# Altium PCB Lancelot.PcbDoc (part 9 of 14) (continued)
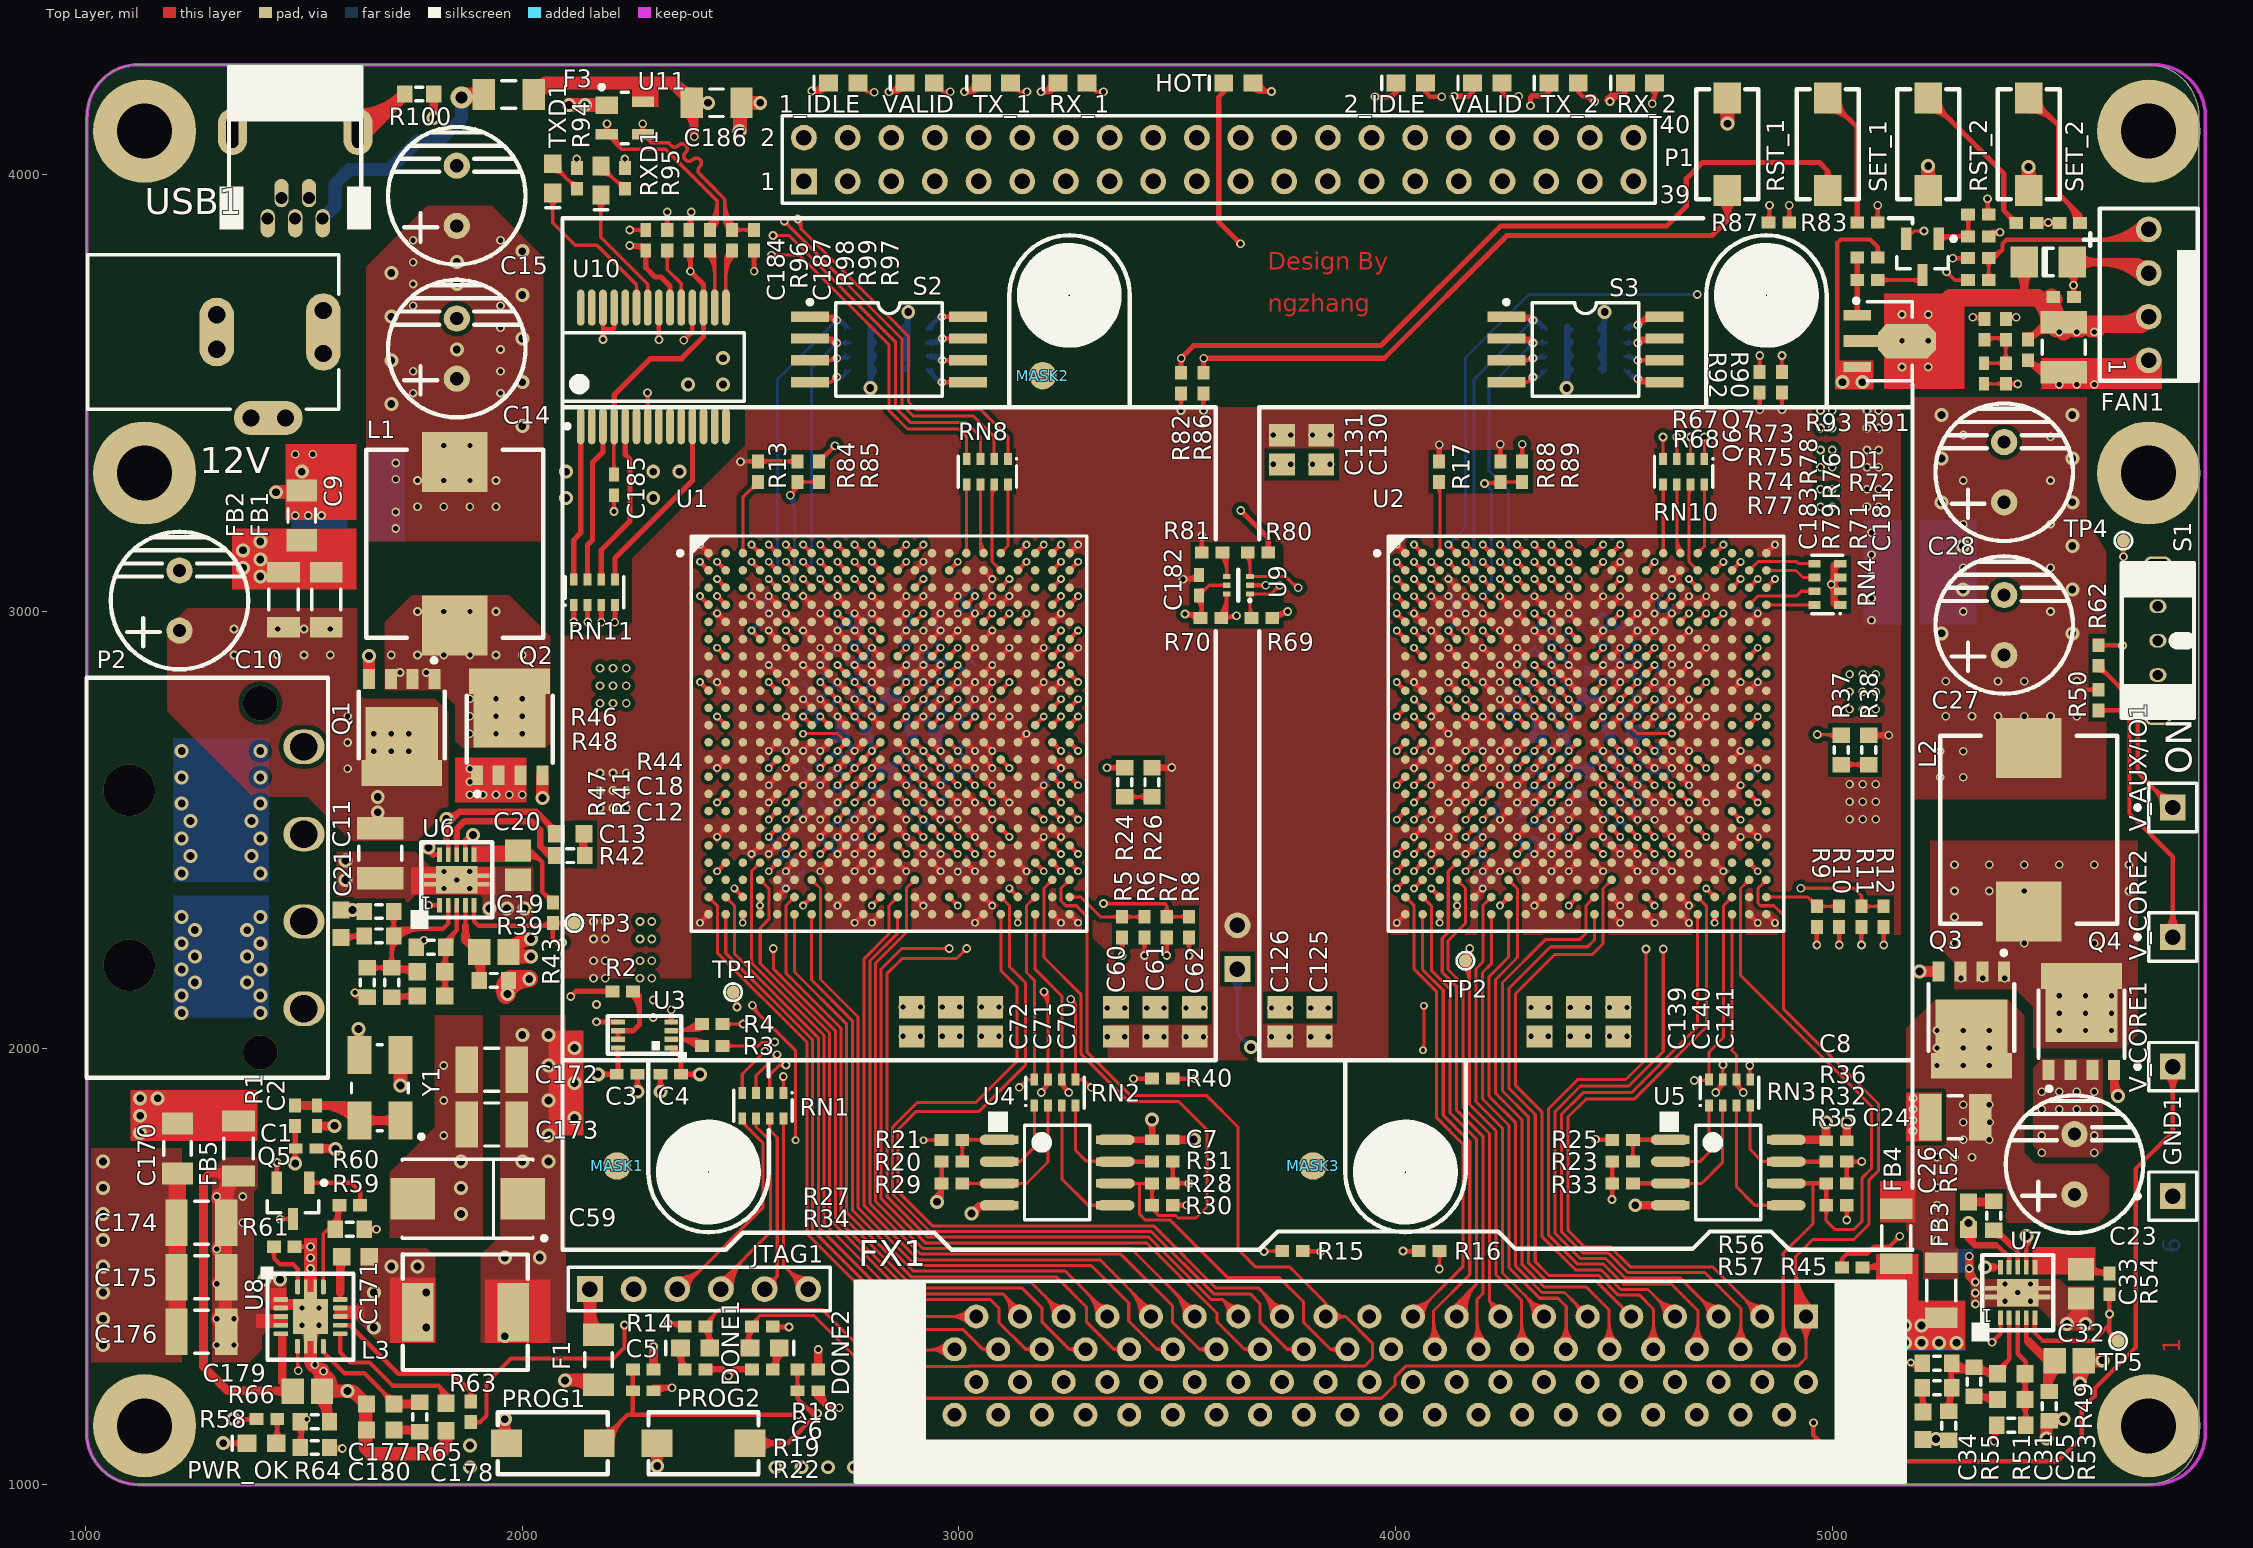
[diagram p0: Top Layer view]
## Nets (pads, with @x,y where several pads share a name; then routed paths per layer and width w, separated by ;. In a path a pad name is that pad's centre, name@x,y a point inside that pad or via, vN(x,y) a via of type N, cw(c..) or ccw(c..) an arc to the next point about the centre after c; other vN are vias at no path point) (continued)
NetC13_1: C13.1 L1.1 Q1.1 Q1.2 Q1.3 Q2.5 U6.9 | length 779.5
  Top Layer w10: 1826,2474 1830.32,2469.68 U6.9@1830.32,2443.07
  Top Layer w15: v3@1819.99,2518.99 cw(c1805.48,2504.48) 1826,2504.48 cw(c1846.52,2504.48) v3@1832.01,2518.99 ; 1826,2474 v3@1826,2511 ; v3(1826,2525) v3@1826,2511 ; v3@1828.06,2533.25 ccw(c1835.18,2561.82) 1856,2541 ; 2054.92,2518.22 cw(c2027.4,2490.7) C13.1@2066.32,2490.7 ; C13.1@2064.42,2508.72 ccw(c2078.5,2522.8) C13.1@2078.5,2502.89 ; C13.1@2082.44,2490.7 2032.14,2541 1856,2541 ; v3@1826,2511 1856,2541
  Mid-Layer 4 w20: v3(1826,2525) 1826,2746 v2(1880,2800)
  other v2: 1880,2720 1940,2720 2000,2720 1880,2760 1940,2760 2000,2760 1940,2800 2000,2800 1720,2860 1780,2860 1700,2900 1760,2900 1820,2900 1880,2900 1940,2900 2000,2900 1760,3000 1820,3000 1880,3000 1940,3000
NetC13_2: C13.2 R42.1 | length 144.3
  Top Layer w15: C13.2@2132.88,2482.08 cw(c2121.58,2470.79) 2137.56,2470.79 ; R42.1@2137.56,2451.78 cw(c2180.42,2451.78) C13.2@2150.11,2482.08 ; C13.2@2137.56,2481.59 ccw(c2182.39,2481.59) R42.1@2150.69,2449.89 ; C13.2@2137.56,2490.7 2137.56,2442.67 R42.1@2139.53,2440.7 ; 2140.8,2469.48 cw(c2148.76,2471.62) C13.2@2145.83,2479.31
NetC18_2: C18.2 R41.1 R46.2 R47.1 R48.2 U6.2 | length 1034.5
  Top Layer w10: R47.1@1645.3,2183.93 1746.07,2183.93 1750,2180 C18.2@1759.5,2180 ; R47.1@1655.96,2174.47 cw(c1678.79,2151.64) 1678.79,2183.93 ; R47.1@1655.96,2192.46 ccw(c1676.55,2213.04) 1676.55,2183.93 ; 1667.21,2183.93 cw(c1667.21,2151.64) R41.1@1690.04,2174.47 ; 1669.45,2183.93 ccw(c1669.45,2213.04) R41.1@1690.04,2192.46 ; R41.1@1692.01,2192.46 ccw(c1670.3,2214.16) 1701,2214.16 ccw(c1731.7,2214.16) R41.1@1709.99,2192.46 ; R48.2@1696.47,2246.04 cw(c1685.54,2235.11) 1701,2235.11 ; R48.2@1696.47,2267.96 ccw(c1674.76,2289.67) 1705.46,2289.67 ccw(c1736.16,2289.67) R48.2@1714.46,2267.96 ; R46.2@1696.47,2302.04 cw(c1674.76,2280.33) 1705.46,2280.33 cw(c1736.16,2280.33) R46.2@1714.46,2302.04 ; R48.2@1700.31,2264.12 cw(c1721.76,2242.68) R48.2@1721.76,2273 ; R41.1@1701,2183.93 R48.2@1701,2252.54 ; 1701,2213.55 cw(c1746.94,2213.55) R48.2@1714.46,2246.04 ; R48.2@1701,2237.69 cw(c1722.8,2237.69) R48.2@1707.39,2253.11 ; R41.1@1702.49,2183.93 cw(c1702.49,2117.99) C18.2@1749.12,2164.62 ; R46.2@1705.46,2313 R48.2@1705.46,2257 1721.46,2273 1818,2273 1830.32,2285.32 U6.2@1830.32,2326.93 ; R48.2@1707.39,2257.05 cw(c1745.9,2218.54) 1745.9,2273 ; R41.1@1709.33,2172.45 cw(c1725.23,2144.9) 1733.47,2175.63 ; R41.1@1711.96,2174.47 cw(c1734.79,2151.64) 1734.79,2183.93 ; R41.1@1711.96,2192.46 ccw(c1732.55,2213.04) 1732.55,2183.93 ; R41.1@1713.98,2189.82 ccw(c1739.6,2204.62) 1731.95,2176.04 ; R48.2@1714.46,2249.98 cw(c1770.04,2194.39) 1770.04,2273 ; 1726.64,2183.93 cw(c1726.64,2142.13) C18.2@1756.19,2171.69
NetC19_1: C19.1 R39.1 U6.4 | length 301.4
  Top Layer w10: 1870,2280 U6.4@1870,2326.61
  Top Layer w15: 1870,2259 1870,2280
  Top Layer w20: 1870,2259 1870,2247.6 ; C19.1@1890.51,2205.04 cw(c1854.39,2168.92) R39.1@1905.47,2168.92 ; R39.1@1896.08,2162.42 ccw(c1873.4,2185.1) 1905.47,2185.1 ; C19.1@1898.31,2239.19 cw(c1891.91,2269.51) 1870,2247.6 ; R39.1@1905.47,2155 1905.47,2212.13 1897.6,2220 1870,2247.6 ; 1905.47,2187.93 cw(c1929.67,2187.93) C19.1@1912.56,2205.04
NetC20_2: C20.2 R43.2 U6.6 | length 480.9
  Top Layer w10: C20.2@1990,2462.4 C20.2@1990,2452.46 2019.54,2452.46 2046,2426 ; C20.2@1994.18,2451.93 cw(c2005.9,2426.5) 2025.7,2446.3 ; C20.2@1998.37,2442.85 cw(c2012.3,2412.6) 2035.85,2436.15 ; C20.2@2002.55,2433.76 cw(c2018.71,2398.71) 2046,2426 ; 2051.65,2351.97 ccw(c2070,2370.32) R43.2@2070,2344.37 ; R43.2@2056.4,2347.22 cw(c2044.78,2335.59) R43.2@2061.22,2335.59 ; R43.2@2070,2333.62 2046,2357.62 2046,2426
  Top Layer w20: 1900,2445 1972.6,2445 C20.2@1990,2462.4 ; 1930.4,2445 ccw(c1930.4,2508.12) C20.2@1975.04,2463.49
NetC21_1: C21.1 R48.1 | length 172.2
  Top Layer w10: C21.1@1588.31,2250.19 cw(c1604.75,2233.75) 1604.75,2257 ; C21.1@1588.5,2257 R48.1@1638.54,2257 ; C21.1@1595.38,2243.12 cw(c1628.89,2209.61) R48.1@1628.89,2257 ; C21.1@1595.38,2263.89 ccw(c1612.01,2280.52) 1612.01,2257 ; R48.1@1629.54,2248.01 ccw(c1607.84,2226.3) 1607.84,2257 ccw(c1607.84,2287.7) R48.1@1629.54,2265.99
NetC23_1: C23.1 C24.2 FB3.1 FB4.1 Q3.5 R49.2 | length 898.8
  Top Layer w28: v3(5491,1106) 5491,1144.47 5497,1150.47 5529.53,1150.47 v3(5530,1150) ; 5491,1127.83 cw(c5513.74,1127.83) R49.2@5497.66,1143.91 ; R49.2@5501.6,1143.91 cw(c5517.45,1128.06) v3@5517.45,1150.47
  Mid-Layer 4 w28: 5491,1144.47 5496.53,1150 v3(5530,1150)
  Mid-Layer 4 w40: v3(5491,1106) 5491,1144.47 5491,1382 5496,1387 5496,1488 5472,1512 5419,1512 5399,1532 5399,1620 5444,1665 C23.1@5535,1665
  other v2: 5240,1560 5240,1600 5240,1640 5240,1680 5240,1750 5280,1750 5320,1750 5300,1790 5360,1790 5300,1830 5360.74,1830 5300,1870 5360,1870 5240,1960 5300,1960 5360,1960 5240,2000 5300,2000 5360,2000 5240,2040 5300,2040 5360,2040
NetC25_1: C25.1 C31.1 R53.2 U7.3 | length 533.4
  Top Layer w10: U7.3@5425,1381.93 5425,1300 5443.46,1281.54 ; C25.1@5431.11,1184.62 cw(c5401.29,1154.79) R53.2@5443.46,1154.79 ; C25.1@5431.11,1205.38 ccw(c5401.29,1235.21) C31.1@5443.46,1235.21 ; C31.1@5431.11,1243.62 cw(c5401.29,1213.79) C25.1@5443.46,1213.79 ; C25.1@5434.24,1207.77 ccw(c5427.33,1219.94) 5440.85,1223.56 ; R53.2@5434.47,1146.96 ccw(c5412.76,1168.67) 5443.46,1168.67 ccw(c5474.16,1168.67) R53.2@5452.46,1146.96 ; C31.1@5434.68,1267.01 ccw(c5427.06,1281.53) 5443.46,1281.53 ; 5443.08,1215.22 ccw(c5455.01,1218.42) C25.1@5448.84,1207.72 ; R53.2@5443.46,1136 5443.46,1281.54 ; 5443.46,1164.3 cw(c5472.2,1164.3) C25.1@5451.88,1184.62 ; 5443.46,1223.3 cw(c5472.2,1223.3) C31.1@5451.88,1243.62 ; 5443.46,1225.7 ccw(c5472.2,1225.7) C25.1@5451.88,1205.38 ; C31.1@5451.02,1265.18 cw(c5464.95,1281.53) 5443.46,1281.53
NetC25_2: C25.2 R51.2 | length 226.1
  Top Layer w10: R51.2@5325,1200.47 C25.2@5367.91,1200.47 ; R51.2@5329.84,1200.47 cw(c5329.84,1146.34) C25.2@5368.12,1184.62 ; R51.2@5335.96,1193.54 cw(c5352.69,1176.82) 5352.69,1200.47 ; R51.2@5335.96,1211.53 ccw(c5362.65,1238.22) C25.2@5362.65,1200.47 ; R51.2@5341.81,1206.06 cw(c5331.59,1167.91) C25.2@5365.79,1187.66 ; 5347.32,1204.58 ccw(c5355.45,1234.92) C25.2@5371.16,1207.72 ; 5353.98,1200.47 cw(c5353.98,1170.48) C25.2@5375.19,1191.69 ; 5356.26,1200.47 ccw(c5356.26,1217.24) C25.2@5368.12,1205.38
NetC26_1: C26.1 L2.1 Q3.1 Q3.2 Q3.3 Q4.5 U7.9 | length 1025.1
  Top Layer w10: 5375,1548 5378,1548 5405.31,1520.68 U7.9@5405.31,1498.07
  Top Layer w15: C26.1@5304.92,1594.74 cw(c5287.15,1582.94) C26.1@5308.06,1578.72 ; C26.1@5305.99,1593.43 cw(c5291.48,1578.92) 5312,1578.92 cw(c5332.52,1578.92) C26.1@5318.01,1593.43 ; C26.1@5306.18,1573.8 cw(c5300.84,1564) 5312,1564 ; C26.1@5308.28,1579.84 cw(c5327.61,1575.94) C26.1@5316.7,1592.36 ; C26.1@5309.48,1585.76 ccw(c5327.36,1576.87) 5313.24,1562.76 ; C26.1@5312,1584.5 5312,1564 ; C26.1@5317.82,1573.8 ccw(c5323.16,1564) 5312,1564 ; C26.1@5322.91,1579.08 ccw(c5347.08,1567.08) 5328,1548 ; 5375,1548 5328,1548 ; 5312,1564 5328,1548
  Mid-Layer 4 w25: v3(5312,1599.44) 5429,1716.44 5429,2229 ; 5429,2219.48 cw(c5460.52,2219.48) v2@5438.23,2241.77 ; 5429,2224.44 cw(c5449.98,2224.44) v2@5438.65,2242.1
  other v2: 5520,2040 5580,2040 5640,2040 5520,2080 5580,2080 5640,2080 5520,2120 5580,2120 5640,2120 5295,2160 5345,2160 5395,2160 5280,2240 5440,2240 5600,2240 5280,2300 5280,2360 5360,2360 5440,2360 5680,2360 5280,2420 5360,2420 5440,2420 5520,2420 5600,2420 5680,2420
NetC26_2: C26.2 R52.1 | length 112.7
  Top Layer w20: C26.2@5312,1647.5 R52.1@5368.03,1647.5 ; C26.2@5318.85,1640.65 cw(c5335.38,1624.11) 5335.38,1647.5 cw(c5335.38,1670.88) C26.2@5318.85,1654.34 ; 5344.65,1647.5 ccw(c5344.65,1672.85) R52.1@5362.58,1654.92
NetC31_2: C31.2 R51.1 R55.2 R56.2 R57.2 U7.2 | length 1060.1
  Top Layer w10: R55.2@5258.01,1177.46 ccw(c5236.3,1199.16) 5267,1199.16 ccw(c5297.7,1199.16) R55.2@5275.99,1177.46 ; R55.2@5262.61,1179.48 ccw(c5252.83,1196.42) 5271.72,1191.35 ; R57.2@5264.47,1232.96 ccw(c5246.3,1251.13) 5272,1251.13 ; R56.2@5264.47,1267.04 cw(c5246.3,1248.87) 5272,1248.87 ; R55.2@5267,1161.46 5267,1212.53 5272,1217.53 5272,1267.53 R56.2@5280,1259.53 ; R55.2@5267,1173.72 cw(c5319.77,1173.72) R57.2@5282.46,1211.04 ; 5267,1197.87 cw(c5295.63,1197.87) R57.2@5275.39,1218.11 ; R56.2@5268.31,1270.88 ccw(c5295.72,1298.29) 5295.72,1259.53 ; 5272,1241.8 cw(c5307.7,1241.8) R56.2@5282.46,1267.04 ; 5272,1258.2 ccw(c5307.7,1258.2) R57.2@5282.46,1232.96 ; 5272.61,1194.65 ccw(c5288.84,1190.3) R55.2@5277.53,1177.87 ; R56.2@5275.39,1277.95 ccw(c5319.87,1322.43) R51.1@5319.87,1259.53 ; R56.2@5282.46,1285.02 ccw(c5344.01,1346.58) R51.1@5344.01,1259.53 ; 5299,1259.53 ccw(c5299,1285.96) R51.1@5320.79,1271 ; R51.1@5312.55,1276.66 cw(c5280,1299) R56.2@5280,1259.53 ; R51.1@5329.27,1270.91 ccw(c5349.84,1283.8) 5349.84,1259.53 ; R51.1@5329.71,1259.53 cw(c5329.71,1205.2) C31.2@5368.12,1243.62 ; R51.1@5337.74,1276.22 ccw(c5367.91,1295.14) 5367.91,1259.53 R56.2@5280,1259.53 ; 5345.76,1265.46 cw(c5338.37,1237.86) C31.2@5364.88,1248.52 ; 5350.99,1264.06 ccw(c5357.87,1289.74) C31.2@5371.16,1266.72 ; 5353.85,1259.53 cw(c5353.85,1229.34) C31.2@5375.19,1250.69 ; 5356.4,1259.53 ccw(c5356.4,1276.11) C31.2@5368.12,1264.38 ; C31.2@5372.44,1255 5405.31,1287.87 ; C31.2@5378.5,1268.68 ccw(c5378.5,1287.09) 5391.52,1274.07 ; C31.2@5383.18,1254.35 cw(c5406.27,1256.08) C31.2@5389.9,1272.45 ; C31.2@5393.15,1255.09 cw(c5434.97,1258.22) 5405.31,1287.87 ; U7.2@5405.31,1381.93 5405.31,1287.87
NetC32_2: C32.2 R49.1 U7.4 | length 300
  Top Layer w10: U7.4@5444.69,1381.93 5444.69,1332.91 5449,1328.6
  Top Layer w20: 5449,1328.6 5492.6,1285 R49.1@5492.6,1217.13 ; R49.1@5492.6,1214.89 cw(c5558.56,1214.89) C32.2@5518.91,1267.6 ; 5492.6,1237.97 ccw(c5519.53,1237.97) R49.1@5500.49,1218.92 ; C32.2@5492.6,1254.96 cw(c5528.42,1254.96) C32.2@5506.88,1283.59
NetC33_1: C33.1 R54.2 U7.6 | length 238.6
  Top Layer w10: C33.1@5570,1497.4 5583.78,1483.62 R54.2@5635,1483.62 cw(c5635,1539.5) C33.1@5590.38,1505.86 ; C33.1@5582.39,1499.84 ccw(c5614.93,1524.38) 5614.93,1483.62 ; C33.1@5588.5,1478.9 cw(c5599.89,1467.52) 5599.89,1483.62 ; 5610.24,1490.26 ccw(c5617,1515.47) R54.2@5630.47,1493.11 ; 5618.47,1488.05 cw(c5614.66,1473.85) R54.2@5627.4,1481.2 ; R54.2@5628.79,1477.41 ccw(c5613.8,1462.43) 5613.8,1483.62 ccw(c5613.8,1504.82) R54.2@5628.79,1489.83
NetC34_1: C34.1 R57.1 | length 197.5
  Top Layer w10: R57.1@5197.54,1211.04 cw(c5172.3,1185.8) C34.1@5208,1185.8 ; C34.1@5197.62,1176.88 ccw(c5172.55,1201.95) 5208,1201.95 ccw(c5243.45,1201.95) C34.1@5218.38,1176.88 ; C34.1@5199.43,1178.42 ccw(c5190.25,1191.21) 5205.46,1195.29 ; R57.1@5206.54,1219 5208,1217.54 C34.1@5208,1159.5 ; 5206.77,1190.39 ccw(c5224.54,1195.15) C34.1@5215.34,1179.21 ; 5208,1192.87 cw(c5233.7,1192.87) R57.1@5215.53,1211.04
NetC171_1: C171.1 U8.13 | length 123.9
  Top Layer w10: U8.13@1582.91,1424.37 1583,1424.46 1583,1440
  Top Layer w20: 1583,1440 C171.1@1583,1520.46 ; 1583,1490.16 cw(c1618.35,1490.16) C171.1@1593.35,1515.15
NetC171_2: C171.2 L3.1 U8.11 U8.12
  other v3: 1660,1360 1780,1360 1660,1440 1780,1440 1700,1500 1760,1500
NetC174_2: C174.2 C175.2 C176.2 C179.2 FB5.1 U8.4 U8.5 U8.6 | length 1970.9
  Top Layer w20: FB5.1@1326.36,1697.6 ccw(c1286,1659.1) 1286,1714.88 ; FB5.1@1350,1714.88 1286,1714.88 ; 1434.48,1215 cw(c1434.48,1173.95) C179.2@1463.51,1202.98 ; 1439.31,1215 ccw(c1439.31,1249.22) C179.2@1463.51,1225.02 ; 1450,1340 1450,1236.6 1471.6,1215 1325,1215 1270,1270 1270,1698.88 1286,1714.88
  Top Layer w30: v2@1302.32,1655.57 ccw(c1286.89,1685) FB5.1@1320.12,1685 ; C176.2@1303.51,1383.56 cw(c1264.41,1343.88) C176.2@1320.12,1343.88 ; C176.2@1303.54,1376.46 ccw(c1263.5,1416.5) 1320.12,1416.5 ; C175.2@1303.54,1463.54 cw(c1263.5,1423.5) C175.2@1320.12,1423.5 ; v2@1303.54,1536.46 ccw(c1263.5,1576.5) C174.2@1320.12,1576.5 ; v2@1303.54,1543.54 cw(c1263.5,1503.5) C175.2@1320.12,1503.5 ; v2@1303.54,1663.54 cw(c1263.5,1623.5) C174.2@1320.12,1623.5 ; C176.2@1320.12,1344.07 cw(c1375.93,1344.07) C176.2@1336.46,1383.54 ; C176.2@1320.12,1350 1320.12,1475 1320.12,1600 FB5.1@1320.12,1685 ; 1320.12,1407.88 ccw(c1352.41,1407.88) C176.2@1329.58,1385.05 ; 1320.12,1415.93 ccw(c1375.93,1415.93) C176.2@1336.46,1376.46 ; 1320.12,1417.12 cw(c1352.41,1417.12) C175.2@1329.58,1439.95 ; 1320.12,1532.88 ccw(c1352.41,1532.88) C175.2@1329.58,1510.05 ; 1320.12,1542.12 cw(c1352.41,1542.12) C174.2@1329.58,1564.95 ; C174.2@1320.12,1647.32 cw(c1395.91,1647.32) FB5.1@1342.32,1700.91 ; 1320.12,1657.88 ccw(c1352.41,1657.88) C174.2@1329.58,1635.05 ; 1326.31,1670.43 ccw(c1374.14,1657.61) C174.2@1331.26,1632.85 ; FB5.1@1350,1714.88 FB5.1@1320.12,1685
  other v2: 1300,1320 1340,1320 1300,1380 1340,1380 1300,1460 1300,1540 1360,1600 1300,1660 1360,1660
NetC177_2: C177.2 R65.2 U8.8 | length 404.5
  Top Layer w10: U8.8@1544.53,1317.09 1544.53,1303.47 1593,1255 1638.46,1255 C177.2@1708.46,1185 ; U8.8@1545.04,1305.87 ccw(c1552.05,1305.87) U8.8@1547.09,1300.91 ; 1680.04,1213.43 cw(c1651.61,1185) C177.2@1691.81,1185 ; 1684.79,1208.68 ccw(c1706.5,1230.39) C177.2@1706.5,1199.68
  Top Layer w20: C177.2@1708.46,1185 R65.2@1764.53,1185 ; C177.2@1713.34,1178.15 cw(c1729.88,1161.62) 1729.88,1185 cw(c1729.88,1208.38) C177.2@1713.34,1191.85 ; 1736.04,1185 ccw(c1736.04,1215.46) R65.2@1757.58,1193.92
NetC178_2: C178.2 U8.9 | length 464.6
  Top Layer w10: U8.9@1582.91,1345.63 1582.91,1303.09 1606,1280 1650,1280 1703,1227 1808,1227 ; C178.2@1812.31,1193.88 ccw(c1788.64,1207.64) 1808,1227 ; 1817.19,1217.81 cw(c1800.26,1200.89) C178.2@1820.95,1188.85 ; C178.2@1818.56,1199.69 ccw(c1813.53,1210) 1825,1210 ; C178.2@1825,1188.46 1825,1210 ; 1826.37,1208.63 cw(c1811.87,1194.13) C178.2@1829.59,1183.82 ; C178.2@1831.44,1199.69 cw(c1836.47,1210) 1825,1210 ; 1808,1227 1825,1210
NetC180_2: C180.2 R65.1 | length 118
  Top Layer w20: C180.2@1708.94,1125.47 R65.1@1765,1125.47 ; C180.2@1713.34,1118.15 cw(c1731.02,1100.48) 1731.02,1125.47 ; C180.2@1713.34,1131.85 ccw(c1728.74,1147.24) 1728.74,1125.47 ; 1734.9,1125.47 cw(c1734.9,1093.4) R65.1@1757.58,1116.08
NetC181_2: C181.2 D1.2 FAN1.2 Q6.2 R71.2 R72.1 | length 1543.6
  Top Layer w12: R71.2@5448,3632.37 ccw(c5448,3655.9) 5464.64,3639.26 ; R71.2@5450.01,3632.11 ccw(c5456.38,3655.87) 5468.68,3634.56 ; R71.2@5455.51,3622.58 cw(c5468.04,3619.22) R71.2@5461.55,3630.45 ; R71.2@5455.78,3624.59 cw(c5469.81,3624.59) R71.2@5459.89,3634.51 ; 5466.67,3641.29 cw(c5498.84,3609.12) C181.2@5501.93,3654.51 ; C181.2@5501.11,3642.54 ccw(c5496.47,3574.16) R71.2@5448,3622.62 5483.53,3658.15 C181.2@5530,3658.15
  Top Layer w20: D1.2@5424.68,3780.86 cw(c5387.99,3744.17) 5439.88,3744.17 cw(c5491.78,3744.17) D1.2@5455.08,3780.86 ; D1.2@5438,3801.88 D1.2@5439.88,3800 5439.88,3719.25 5438.63,3718
  Top Layer w40: Q6.2@5171.37,3619 5270.37,3718 5438.63,3718 5471,3718 ; Q6.2@5218.3,3619 cw(c5331.6,3619) 5251.48,3699.11 ; 5475.59,3713.41 cw(c5424.27,3662.09) C181.2@5496.85,3662.09 ; R72.1@5502.13,3720 ccw(c5582.1,3720) C181.2@5525.55,3663.45 ; R72.1@5508.03,3714.94 cw(c5491.32,3738.32) 5471,3718 ; C181.2@5512.93,3647.07 cw(c5539.67,3620.33) C181.2@5539.67,3658.15 ; C181.2@5516.56,3672.44 cw(c5484.13,3640) C181.2@5530,3640 ; C181.2@5540.33,3658.15 cw(c5540.33,3620.33) C181.2@5567.07,3647.07 ; C181.2@5552.93,3647.07 cw(c5579.67,3620.33) C181.2@5579.67,3658.15 ; C181.2@5580.33,3658.15 cw(c5580.33,3620.33) v2@5607.07,3647.07 ; v2@5592.93,3647.07 cw(c5619.67,3620.33) 5619.67,3658.15 ; 5661.32,3658.15 ccw(c5661.32,3738.68) FAN1.2@5718.26,3681.74 ; FAN1.2@5725,3675 5708.15,3658.15 5530,3658.15 5530,3659 5471,3718
  other v2: 5160,3560 5220,3560 5160,3620 5220,3620 5520,3640 5560,3640 5600,3640 5160,3680 5220,3680
NetC183_1: C183.1 R76.2 R78.2 R79.1 | length 372.8
  Top Layer w8: C183.1@5347.81,3568.62 R79.1@5397.81,3568.62 5397.81,3626.38 R78.2@5347.81,3626.38 ; C183.1@5353.33,3563.1 cw(c5366.67,3549.76) 5366.67,3568.62 cw(c5366.67,3587.48) C183.1@5353.33,3574.15 ; R78.2@5355.92,3617.43 cw(c5377.51,3595.83) 5377.51,3626.38 ; R78.2@5355.92,3631.26 ccw(c5367.71,3643.05) 5367.71,3626.38 ; 5369.49,3626.38 cw(c5369.49,3595.83) R76.2@5391.08,3617.43 ; 5379.29,3626.38 ccw(c5379.29,3643.05) R76.2@5391.08,3631.26 ; R79.1@5390.9,3561.71 ccw(c5374.2,3545.01) 5374.2,3568.62 ccw(c5374.2,3592.23) R79.1@5390.9,3575.54 ; R79.1@5390.9,3577.51 ccw(c5374.2,3594.2) 5397.81,3594.2 ccw(c5421.42,3594.2) R79.1@5404.73,3577.51 ; R76.2@5391.08,3613.49 cw(c5374.85,3597.26) 5397.81,3597.26 ; 5397.81,3596.34 cw(c5422.07,3596.34) R76.2@5404.92,3613.49
NetD1_1: D1.1 FAN1.3 R72.2 R76.1 | length 1114.3
  Top Layer w8: R76.1@5397.81,3673.62 v2@5414.81,3673.62 ; R76.1@5405.44,3677.94 ccw(c5414.81,3685.95) v2@5414.81,3673.62 ; R76.1@5407.2,3668.28 cw(c5414.81,3665.53) v2@5414.81,3673.62 ; v2@5416.57,3676.53 cw(c5412.79,3678.63) 5411.68,3674.46 cw(c5409.59,3666.69) v2@5416.59,3670.66 ; v2@5417.57,3669.38 ccw(c5407.33,3659.14) 5407.33,3673.62 ccw(c5407.33,3688.11) v2@5417.57,3677.86 ; D1.1@5537.81,3771.48 cw(c5525,3745.88) 5553.62,3745.88 cw(c5590.6,3745.88) D1.1@5567.38,3774.66 ; D1.1@5541.39,3778.63 cw(c5531.48,3758.83) 5553.62,3758.83 ; R72.2@5546.71,3726.92 ccw(c5530.01,3743.61) 5553.62,3743.61 ccw(c5577.23,3743.61) R72.2@5560.54,3726.92 ; v2@5548.16,3751.01 ccw(c5541.71,3756.81) 5550.09,3759.06 ccw(c5560.6,3761.88) v2@5555.46,3752.29 ; v2@5548.38,3742.76 cw(c5535.72,3730.1) R72.2@5553.62,3730.1 ; v2@5548.38,3751.24 ccw(c5535.72,3763.9) 5553.62,3763.9 ; v2@5548.86,3742.33 cw(c5544.36,3736.74) 5551.29,3734.89 ; v2@5549.62,3741.8 cw(c5542.23,3729) R72.2@5556.51,3732.82 ; v2@5549.62,3752.2 ccw(c5540.24,3768.45) 5558.37,3763.6 ; D1.1@5550.12,3800 5553.62,3796.5 v2@5553.62,3746 ; 5551.81,3736.83 cw(c5559.72,3734.71) v2@5555.62,3741.8 ; v2(5552.62,3747) v2@5553.62,3746 ; R72.2@5553.62,3720 v2@5553.62,3746 ; 5553.62,3734.93 cw(c5564.69,3734.93) v2@5556.86,3742.76 ; 5553.62,3759.07 ccw(c5564.69,3759.07) v2@5556.86,3751.24 ; 5553.62,3762.61 cw(c5577.1,3762.61) D1.1@5562.36,3780.89 ; R72.2@5556.4,3733.24 cw(c5570.1,3736.91) v2@5557.82,3744 ; 5556.8,3757.74 ccw(c5566.65,3755.1) v2@5557.82,3750
  Top Layer w20: D1.1@5550.12,3800 5700,3800 ; D1.1@5565.32,3784.8 cw(c5602.01,3748.1) 5602.01,3800 cw(c5602.01,3851.9) D1.1@5565.32,3815.2 ; 5617.5,3800 cw(c5617.5,3667.5) FAN1.3@5711.19,3761.19 ; 5665.79,3800 cw(c5665.79,3715.79) FAN1.3@5725.33,3775.33 ; FAN1.3@5705.96,3779.34 ccw(c5684.28,3784.27) 5700,3800 ; FAN1.3@5720.66,3794.04 cw(c5715.73,3815.72) 5700,3800 ; FAN1.3@5725,3775 5700,3800
  Mid-Layer 4 w8: v2(5421.81,3673.62) 5495.19,3747 v2(5552.62,3747) ; v2@5421.81,3679.62 ccw(c5421.81,3694.11) 5432.05,3683.86 ccw(c5442.3,3673.62) v2@5427.81,3673.62 ; v2@5548.38,3742.76 ccw(c5538.14,3732.51) 5538.14,3747 ccw(c5538.14,3761.49) v2@5548.38,3751.24
NetDONE1_2: DONE1.2 R22.1 | length 206.3
  Top Layer w8: DONE1.2@2351.44,1301.91 cw(c2324.67,1275.13) 2362.54,1275.13 cw(c2400.4,1275.13) DONE1.2@2373.63,1301.91 ; DONE1.2@2358.04,1298.71 cw(c2350.84,1282.8) 2367.71,1287.32 cw(c2378.35,1290.17) DONE1.2@2372.64,1299.59 ; 2362.54,1287.31 ccw(c2393.72,1287.31) R22.1@2371.67,1265.26 ; DONE1.2@2362.54,1306.62 ccw(c2413.03,1306.62) R22.1@2377.32,1270.92 ; DONE1.2@2362.54,1313 2362.54,1273.84 R22.1@2372.38,1264
NetDONE2_2: DONE2.2 R34.1 | length 235.4
  Top Layer w8: R34.1@2568.68,1270.92 ccw(c2532.97,1306.62) DONE2.2@2583.46,1306.62 ; DONE2.2@2572.91,1305.16 cw(c2543.89,1288.4) 2576.26,1279.73 ; R34.1@2574.33,1265.26 ccw(c2552.28,1287.31) 2583.46,1287.31 ; DONE2.2@2575.41,1301.91 cw(c2555.95,1282.45) 2583.46,1282.45 ; 2576.13,1279.24 cw(c2604.64,1271.6) DONE2.2@2592.79,1298.63 ; R34.1@2583.46,1269.9 cw(c2626.77,1269.9) DONE2.2@2597.2,1301.54 ; R34.1@2583.46,1270 DONE2.2@2583.46,1310 ; 2583.46,1288.32 cw(c2609.56,1288.32) DONE2.2@2591.74,1307.38
NetF3_2: F3.2 USB1.1 | length 580.4
  Top Layer w32: v8(1861,4177) 1868,4184 F3.2@1911.91,4184 ; v8@1867.36,4170.64 cw(c1899.63,4138.37) F3.2@1899.63,4184
  Bottom Layer w30: USB1.1@1542.99,3900 1571,3928.01 1571,3979 1604,4012 1695.1,4012 1762.1,4079 1811,4079 1861,4129 v8(1861,4177)
NetFAN1_4: FAN1.4 R74.1 R77.1 | length 962.6
  Top Layer w8: R77.1@5351.71,3765.92 ccw(c5335.01,3782.61) 5358.62,3782.61 ccw(c5382.23,3782.61) R77.1@5365.54,3765.92 ; R74.1@5351.71,3802.08 cw(c5335.01,3785.39) 5358.62,3785.39 cw(c5382.23,3785.39) R74.1@5365.54,3802.08 ; R77.1@5358.62,3759 R74.1@5358.62,3809 R74.1@5370.21,3809 ; FAN1.4@5702.65,3862.66 cw(c5694.07,3857.93) 5701,3851 ; FAN1.4@5712.66,3852.65 ccw(c5707.93,3844.07) 5701,3851 ; FAN1.4@5725,3875 5701,3851
  Top Layer w10: R74.1@5360.52,3807.78 ccw(c5361.54,3825.67) R74.1@5374.21,3813 ; R74.1@5361.09,3817.77 ccw(c5363.24,3855.54) 5390,3828.79 ; R74.1@5370.21,3809 5390,3828.79 ; 5607.84,3851 ccw(c5607.84,3992.16) FAN1.4@5707.66,3892.34 ; 5631.99,3851 ccw(c5631.99,3968.01) FAN1.4@5714.73,3885.27 ; 5656.13,3851 ccw(c5656.13,3943.87) FAN1.4@5721.8,3878.2 ; 5680.27,3851 ccw(c5680.27,3919.73) FAN1.4@5728.87,3871.13 ; 5701,3851 5399,3851 5390,3842 5390,3828.79 ; 5704.41,3851 ccw(c5704.41,3895.59) FAN1.4@5735.94,3864.06
NetFPGA1_IDLE_1: 1_IDLE.1 RN8.4 | length 1567.2
  Top Layer w7: v2(2571,3816) 2634.93,3816 2839.47,3611.46 2839.47,3460.89 2882.36,3418 2999.51,3418 3017.76,3399.76 RN8.4@3017.76,3349.53 ; v2@2575.6,3811.4 cw(c2586.69,3800.31) 2586.69,3816 cw(c2586.69,3831.69) v2@2575.6,3820.6 ; 1_IDLE.1@2768.46,4210 2788.46,4190 ; 1_IDLE.1@2773.97,4194.21 cw(c2777.4,4178.93) 2788.46,4190 ; 1_IDLE.1@2785.51,4204.11 ccw(c2797.78,4199.32) 2788.46,4190 ; 2792.72,4190 ccw(c2792.72,4202.28) v2@2801.4,4193.6 ; v2@2801.3,4184.51 ccw(c2788.47,4172.25) 2788.47,4190 ; v2(2806,4189) 2805,4190 2788.46,4190 ; RN8.4@3013.97,3358.24 ccw(c3004.82,3367.38) 3017.76,3367.38 ccw(c3030.69,3367.38) RN8.4@3021.54,3358.24
  Mid-Layer 4 w7: 2555.83,3828.78 ccw(c2571,3843.95) v2@2571,3822.5 ; 2561.59,3823.03 cw(c2554.56,3816) v2@2564.5,3816 ; v2(2571,3816) 2568.62,3816 2535,3849.62 2535,4110.15 2596.85,4172 2789,4172 v2(2806,4189) ; v2@2799.5,4189 cw(c2783.81,4189) 2794.9,4177.9 cw(c2806,4166.81) v2@2806,4182.5
NetFPGA1_RX_1: RN8.2 RX_1.1 | length 2022.6
  Top Layer w7: v2@2600,3887.5 cw(c2600,3873.36) 2610,3883.36 ; v2(2600,3894) 2600,3893.36 2869.47,3623.88 2869.47,3473.31 2894.79,3448 3032.5,3448 3080.75,3399.76 RN8.2@3080.75,3349.53 ; v2@2606.5,3894 ccw(c2623.75,3894) 2611.55,3881.8 ; RN8.2@3076.96,3358.24 ccw(c3067.81,3367.38) 3080.75,3367.38 ccw(c3093.68,3367.38) RN8.2@3084.54,3358.24 ; RX_1.1@3293.46,4210 3313.46,4190 ; RX_1.1@3298.97,4194.21 cw(c3302.4,4178.93) 3313.46,4190 ; RX_1.1@3310.51,4204.11 ccw(c3322.78,4199.32) 3313.46,4190 ; v2@3326.4,4185.4 ccw(c3315.31,4174.31) 3315.31,4190 ccw(c3315.31,4205.69) v2@3326.4,4194.6 ; v2(3331,4190) 3313.46,4190
  Mid-Layer 4 w7: v2@2593.5,3894 ccw(c2577.81,3894) 2588.9,3905.1 ccw(c2600,3916.19) v2@2600,3900.5 ; v2(2600,3894) 2580,3914 2580,4100 2613,4133 3274,4133 v2(3331,4190) ; v2@3324.5,4190 cw(c3308.81,4190) 3319.9,4178.9 cw(c3331,4167.81) v2@3331,4183.5
NetFPGA1_TX_1: RN8.3 TX_1.1 | length 1908.5
  Top Layer w7: v2(2574,3860.93) 2611.21,3860.93 2854.47,3617.67 2854.47,3467.1 2888.57,3433 3016.01,3433 3049.25,3399.76 RN8.3@3049.25,3349.53 ; v2@2578.6,3856.33 cw(c2589.69,3845.24) 2589.69,3860.93 cw(c2589.69,3876.62) v2@2578.6,3865.53 ; RN8.3@3045.46,3358.24 ccw(c3036.32,3367.38) 3049.25,3367.38 ccw(c3062.19,3367.38) RN8.3@3053.04,3358.24 ; TX_1.1@3118.46,4210 3138.46,4190 ; TX_1.1@3123.97,4194.21 cw(c3127.4,4178.93) 3138.46,4190 ; TX_1.1@3135.51,4204.11 ccw(c3147.78,4199.32) 3138.46,4190 ; v2@3151.4,4185.4 ccw(c3140.31,4174.31) 3140.31,4190 ccw(c3140.31,4205.69) v2@3151.4,4194.6 ; v2(3156,4190) 3138.46,4190
  Mid-Layer 4 w7: 2565,3881.45 ccw(c2594.52,3881.45) v2@2573.65,3860.58 ; 2565,3898.35 ccw(c2611.42,3898.35) v2@2578.6,3865.53 ; v2(2574,3860.93) 2565,3869.93 2565,4103.38 2607.62,4146 3112,4146 v2(3156,4190) ; v2@3149.5,4190 cw(c3133.81,4190) 3144.9,4178.9 cw(c3156,4167.81) v2@3156,4183.5
NetFPGA1_VALID_1: RN8.1 VALID.1@2943.46,4210 | length 1909.5
  Top Layer w7: v2@2627.8,3893.34 cw(c2617.16,3874.51) 2638.78,3874.51 ; v2(2631,3899) 2638.78,3891.22 ; v2@2631.25,3899.44 cw(c2623.94,3886.51) 2638.78,3886.51 ; v2@2632.8,3892.76 cw(c2634.49,3886.92) 2638.78,3891.22 ; v2@2637.24,3897.2 ccw(c2643.08,3895.51) 2638.78,3891.22 ; VALID.1@2943.46,4210 2963.46,4190 ; VALID.1@2948.97,4194.21 cw(c2952.4,4178.93) 2963.46,4190 ; VALID.1@2960.51,4204.11 ccw(c2972.78,4199.32) 2963.46,4190 ; v2@2975.4,4185.4 ccw(c2964.31,4174.31) 2964.31,4190 ccw(c2964.31,4205.69) v2@2975.4,4194.6 ; v2(2980,4190) 2963.46,4190 ; RN8.1@3108.46,3358.24 ccw(c3099.31,3367.38) 3112.24,3367.38 ccw(c3125.18,3367.38) RN8.1@3116.03,3358.24 ; RN8.1@3112.24,3349.53 3112.24,3399.76 3049,3463 2901,3463 2884.47,3479.53 2884.47,3630.1 2638.78,3875.78 2638.78,3891.22
  Mid-Layer 4 w7: 2613.79,3873.14 ccw(c2587.93,3899) v2@2624.5,3899 ; 2625.74,3885.09 ccw(c2611.83,3899) v2@2631.5,3899 ; v2(2631,3899) 2631,3890.35 2582.08,3841.43 2561.57,3841.43 2550,3853 2550,4106.77 2602.23,4159 2949,4159 v2(2980,4190) ; v2@2973.5,4190 cw(c2957.81,4190) 2968.9,4178.9 cw(c2980,4167.81) v2@2980,4183.5
NetFPGA2_IDLE_1: 2_IDLE.1 RN10.4 | length 1534
  Top Layer w7: v2@4608.16,3395.16 cw(c4597.06,3384.06) 4612.76,3384.06 cw(c4628.45,3384.06) v2@4617.35,3395.16 ; RN10.4@4608.97,3358.24 ccw(c4599.82,3367.38) 4612.76,3367.38 ccw(c4625.69,3367.38) RN10.4@4616.54,3358.24 ; RN10.4@4612.76,3349.53 v2(4612.76,3399.76)
  Top Layer w10: 2_IDLE.1@4064.07,4195.99 cw(c4062.19,4190) 4068.46,4190 ; 2_IDLE.1@4068.46,4210 4068.46,4190 ; 2_IDLE.1@4072.86,4195.99 ccw(c4074.74,4190) 4068.46,4190 ; v2@4102.46,4175.46 ccw(c4093.93,4166.93) 4093.93,4179 ccw(c4093.93,4191.07) v2@4102.46,4182.54 ; v2(4106,4179) 4079.46,4179 4068.46,4190
  Mid-Layer 4 w7: v2@4106,4172.5 cw(c4106,4156.81) 4117.1,4167.9 cw(c4128.19,4179) v2@4112.5,4179 ; v2(4106,4179) 4156,4129 4598.85,4129 4622,4105.85 4622,3409 v2(4612.76,3399.76) ; v2@4608.16,3404.35 ccw(c4574.75,3437.77) 4622,3437.77 ; v2@4613.11,3399.4 ccw(c4591.65,3420.87) 4622,3420.87
NetFPGA2_RX_1: RN10.2 RX_2.1 | length 1151.9
  Top Layer w7: RX_2.1@4582.02,4198.56 cw(c4554.39,4170.93) 4593.46,4170.93 cw(c4632.54,4170.93) RX_2.1@4604.91,4198.56 ; v2@4583.4,4167.6 ccw(c4559.12,4191.88) RX_2.1@4593.46,4191.88 ; v2@4584.75,4168.63 ccw(c4571.4,4191.76) 4597.19,4184.85 ; RX_2.1@4586.97,4203.51 cw(c4571.29,4187.83) 4593.46,4187.83 cw(c4615.64,4187.83) RX_2.1@4599.96,4203.51 ; v2@4588.35,4162.65 ccw(c4576.01,4174.99) 4593.46,4174.99 ; v2@4593.46,4163 RX_2.1@4593.46,4210 ; v2@4671.15,3395.16 cw(c4660.06,3384.06) 4675.75,3384.06 cw(c4691.44,3384.06) v2@4680.34,3395.16 ; RN10.2@4671.96,3358.24 ccw(c4662.81,3367.38) 4675.75,3367.38 ccw(c4688.68,3367.38) RN10.2@4679.54,3358.24 ; RN10.2@4675.75,3349.53 v2(4675.75,3399.76)
  Mid-Layer 4 w7: v2(4588,4163) 4601.62,4163 ; v2@4593.05,4158.91 cw(c4601.61,4151.99) 4601.61,4163 ; v2@4593.05,4167.09 ccw(c4601.61,4174.01) 4601.61,4163 ; v2@4669.25,3399.76 ccw(c4653.56,3399.76) 4664.65,3410.85 ccw(c4675.75,3421.95) v2@4675.75,3406.26 ; v2(4675.75,3399.76) 4648,3427.5 4648,4116.62 4601.62,4163
NetFPGA2_TX_1: RN10.3 TX_2.1 | length 1207.2
  Top Layer w7: v2@4639.66,3395.16 cw(c4628.56,3384.06) 4644.25,3384.06 cw(c4659.94,3384.06) v2@4648.85,3395.16 ; RN10.3@4640.46,3358.24 ccw(c4631.32,3367.38) 4644.25,3367.38 ccw(c4657.19,3367.38) RN10.3@4648.04,3358.24 ; RN10.3@4644.25,3349.53 v2(4644.25,3399.76)
  Top Layer w10: TX_2.1@4414.07,4195.99 cw(c4412.19,4190) 4418.46,4190 ; TX_2.1@4418.46,4210 4418.46,4190 ; TX_2.1@4422.86,4195.99 ccw(c4424.74,4190) 4418.46,4190 ; 4444.66,4180 cw(c4444.66,4162.32) v2@4460.47,4170.24 ; v2@4451.53,4165.76 ccw(c4428.47,4154.2) 4428.47,4180 ; v2@4452.71,4171.77 ccw(c4446.4,4179) 4456,4179 ; v2(4456,4168) 4456,4179 ; v2@4459.29,4171.77 cw(c4465.6,4179) 4456,4179 ; 4418.46,4190 4428.46,4180 ; 4428.46,4180 4455,4180 4456,4179
  Mid-Layer 4 w7: v2@4455.5,4168.04 ccw(c4474.97,4166.63) 4461.17,4152.83 ; 4456,4158 4472,4142 ; v2@4462.48,4167.53 ccw(c4495.18,4165.18) 4472,4142 ; v2(4644.25,3399.76) 4635,3409.01 4635,4111.23 4604.23,4142 4472,4142